# Altium PCB amp.PcbDoc (part 2 of 20)
Units mm, origin at the board's own origin, x right, y up, seen from the top; angles counter-clockwise.
Board outline 210 x 210 mm, 2 copper layers (Top Layer, Bottom Layer); 742 components, 1354 nets, 6402 pads, 5154 vias.
Unrouted connection lines stored in the file: 702.
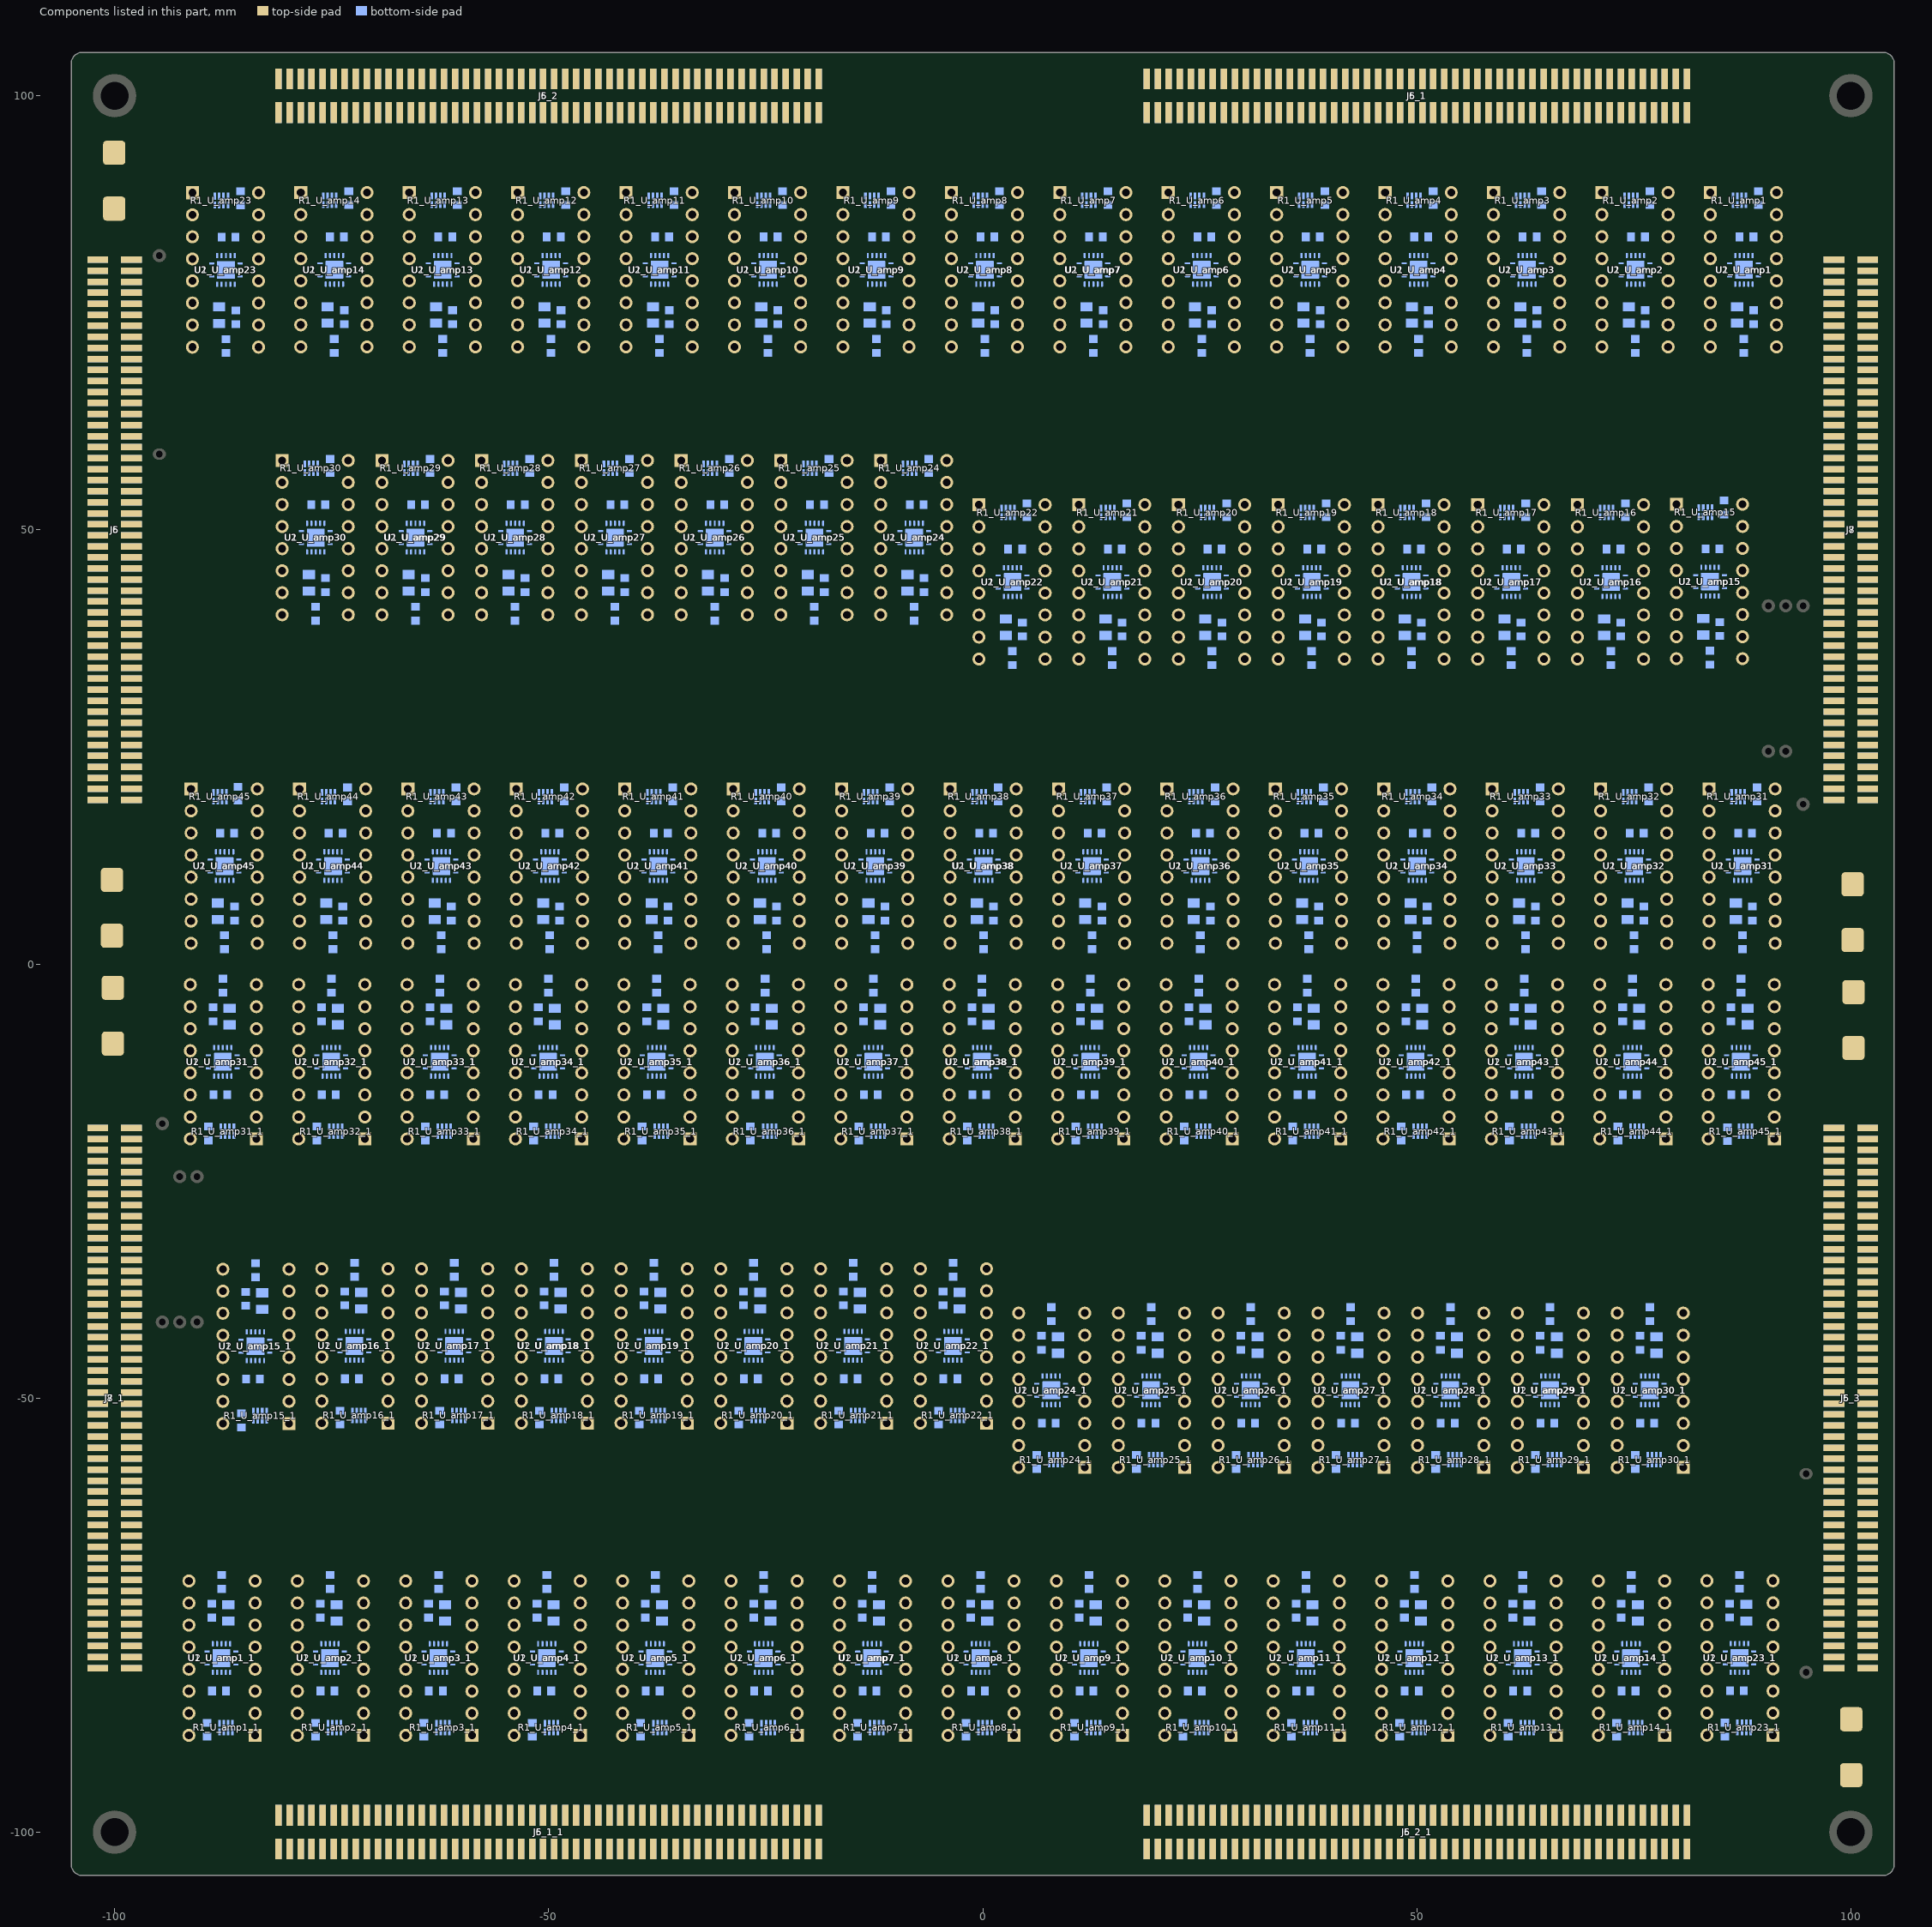
[diagram p2: the components of this part, seen from the top]

## Components (designator, comment, footprint, x,y, rotation, side; value= is the part's Value field where it differs from the comment) (continued)
C4_U_amp14_1 "10u 35V" C-0805-M 75.463,-74.747 r90 bottom (schematic designator C4)
C4_U_amp15 "10u 35V" C-0805-M 82.997,38.831 r270 bottom (schematic designator C4)
C4_U_amp15_1 "10u 35V" C-0805-M -82.997,-38.831 r90 bottom (schematic designator C4)
C4_U_amp16 "10u 35V" C-0805-M 71.599,38.787 r270 bottom (schematic designator C4)
C4_U_amp16_1 "10u 35V" C-0805-M -71.599,-38.787 r90 bottom (schematic designator C4)
C4_U_amp17 "10u 35V" C-0805-M 60.109,38.787 r270 bottom (schematic designator C4)
C4_U_amp17_1 "10u 35V" C-0805-M -60.109,-38.787 r90 bottom (schematic designator C4)
C4_U_amp18 "10u 35V" C-0805-M 48.619,38.787 r270 bottom (schematic designator C4)
C4_U_amp18_1 "10u 35V" C-0805-M -48.619,-38.787 r90 bottom (schematic designator C4)
C4_U_amp19 "10u 35V" C-0805-M 37.129,38.787 r270 bottom (schematic designator C4)
C4_U_amp19_1 "10u 35V" C-0805-M -37.129,-38.787 r90 bottom (schematic designator C4)
C4_U_amp20 "10u 35V" C-0805-M 25.638,38.787 r270 bottom (schematic designator C4)
C4_U_amp20_1 "10u 35V" C-0805-M -25.638,-38.787 r90 bottom (schematic designator C4)
C4_U_amp21 "10u 35V" C-0805-M 14.148,38.787 r270 bottom (schematic designator C4)
C4_U_amp21_1 "10u 35V" C-0805-M -14.148,-38.787 r90 bottom (schematic designator C4)
C4_U_amp22 "10u 35V" C-0805-M 2.658,38.787 r270 bottom (schematic designator C4)
C4_U_amp22_1 "10u 35V" C-0805-M -2.658,-38.787 r90 bottom (schematic designator C4)
C4_U_amp23 "10u 35V" C-0805-M -87.952,74.727 r270 bottom (schematic designator C4)
C4_U_amp23_1 "10u 35V" C-0805-M 87.952,-74.727 r90 bottom (schematic designator C4)
C4_U_amp24 "10u 35V" C-0805-M -8.668,43.893 r270 bottom (schematic designator C4)
C4_U_amp24_1 "10u 35V" C-0805-M 8.668,-43.893 r90 bottom (schematic designator C4)
C4_U_amp25 "10u 35V" C-0805-M -20.158,43.893 r270 bottom (schematic designator C4)
C4_U_amp25_1 "10u 35V" C-0805-M 20.158,-43.893 r90 bottom (schematic designator C4)
C4_U_amp26 "10u 35V" C-0805-M -31.648,43.893 r270 bottom (schematic designator C4)
C4_U_amp26_1 "10u 35V" C-0805-M 31.648,-43.893 r90 bottom (schematic designator C4)
C4_U_amp27 "10u 35V" C-0805-M -43.139,43.893 r270 bottom (schematic designator C4)
C4_U_amp27_1 "10u 35V" C-0805-M 43.139,-43.893 r90 bottom (schematic designator C4)
C4_U_amp28 "10u 35V" C-0805-M -54.629,43.893 r270 bottom (schematic designator C4)
C4_U_amp28_1 "10u 35V" C-0805-M 54.629,-43.893 r90 bottom (schematic designator C4)
C4_U_amp29 "10u 35V" C-0805-M -66.119,43.893 r270 bottom (schematic designator C4)
C4_U_amp29_1 "10u 35V" C-0805-M 66.119,-43.893 r90 bottom (schematic designator C4)
C4_U_amp30 "10u 35V" C-0805-M -77.609,43.893 r270 bottom (schematic designator C4)
C4_U_amp30_1 "10u 35V" C-0805-M 77.609,-43.893 r90 bottom (schematic designator C4)
C4_U_amp31 "10u 35V" C-0805-M 86.757,6.06 r270 bottom (schematic designator C4)
C4_U_amp31_1 "10u 35V" C-0805-M -86.757,-6.06 r90 bottom (schematic designator C4)
C4_U_amp32 "10u 35V" C-0805-M 74.267,6.06 r270 bottom (schematic designator C4)
C4_U_amp32_1 "10u 35V" C-0805-M -74.267,-6.06 r90 bottom (schematic designator C4)
C4_U_amp33 "10u 35V" C-0805-M 61.777,6.06 r270 bottom (schematic designator C4)
C4_U_amp33_1 "10u 35V" C-0805-M -61.777,-6.06 r90 bottom (schematic designator C4)
C4_U_amp34 "10u 35V" C-0805-M 49.286,6.06 r270 bottom (schematic designator C4)
C4_U_amp34_1 "10u 35V" C-0805-M -49.286,-6.06 r90 bottom (schematic designator C4)
C4_U_amp35 "10u 35V" C-0805-M 36.796,6.06 r270 bottom (schematic designator C4)
C4_U_amp35_1 "10u 35V" C-0805-M -36.796,-6.06 r90 bottom (schematic designator C4)
C4_U_amp36 "10u 35V" C-0805-M 24.306,6.06 r270 bottom (schematic designator C4)
C4_U_amp36_1 "10u 35V" C-0805-M -24.306,-6.06 r90 bottom (schematic designator C4)
C4_U_amp37 "10u 35V" C-0805-M 11.816,6.06 r270 bottom (schematic designator C4)
C4_U_amp37_1 "10u 35V" C-0805-M -11.816,-6.06 r90 bottom (schematic designator C4)
C4_U_amp38 "10u 35V" C-0805-M -0.674,6.06 r270 bottom (schematic designator C4)
C4_U_amp38_1 "10u 35V" C-0805-M 0.674,-6.06 r90 bottom (schematic designator C4)
C4_U_amp39 "10u 35V" C-0805-M -13.165,6.06 r270 bottom (schematic designator C4)
C4_U_amp39_1 "10u 35V" C-0805-M 13.165,-6.06 r90 bottom (schematic designator C4)
C4_U_amp40 "10u 35V" C-0805-M -25.655,6.06 r270 bottom (schematic designator C4)
C4_U_amp40_1 "10u 35V" C-0805-M 25.655,-6.06 r90 bottom (schematic designator C4)
C4_U_amp41 "10u 35V" C-0805-M -38.145,6.06 r270 bottom (schematic designator C4)
C4_U_amp41_1 "10u 35V" C-0805-M 38.145,-6.06 r90 bottom (schematic designator C4)
C4_U_amp42 "10u 35V" C-0805-M -50.635,6.06 r270 bottom (schematic designator C4)
C4_U_amp42_1 "10u 35V" C-0805-M 50.635,-6.06 r90 bottom (schematic designator C4)
C4_U_amp43 "10u 35V" C-0805-M -63.125,6.06 r270 bottom (schematic designator C4)
C4_U_amp43_1 "10u 35V" C-0805-M 63.125,-6.06 r90 bottom (schematic designator C4)
C4_U_amp44 "10u 35V" C-0805-M -75.616,6.06 r270 bottom (schematic designator C4)
C4_U_amp44_1 "10u 35V" C-0805-M 75.616,-6.06 r90 bottom (schematic designator C4)
C4_U_amp45 "10u 35V" C-0805-M -88.106,6.06 r270 bottom (schematic designator C4)
C4_U_amp45_1 "10u 35V" C-0805-M 88.106,-6.06 r90 bottom (schematic designator C4)
Designator1 "Comment" C-TANT-V 100.2,5.8 r270 top
Designator1_1 "Comment" C-TANT-V -100.2,-5.8 r90 top
Designator1_2 "Comment" C-TANT-V -100.3,6.3 r270 top
Designator1_3 "Comment" C-TANT-V 100.3,-6.3 r90 top
Designator1_4 "Comment" C-TANT-V -100.05,90.05 r270 top
Designator1_5 "Comment" C-TANT-V 100.05,-90.05 r90 top
J5 "CONN" SOP127P640X300-100L#1 -100,50 r180 top
J5_1 "CONN" SOP127P640X300-100L#1 50,100 r90 top (schematic designator J5)
J5_1_1 "CONN" SOP127P640X300-100L#1 -50,-100 r270 top (schematic designator J5)
J5_2 "CONN" SOP127P640X300-100L#2 -50,100 r90 top (schematic designator J5)
J5_2_1 "CONN" SOP127P640X300-100L#2 50,-100 r270 top (schematic designator J5)
J5_3 "CONN" SOP127P640X300-100L#1 100,-50 r0 top (schematic designator J5)
J6 "CONN" SOP127P640X300-100L#1 -100,50 r0 bottom
J6_1 "CONN" SOP127P640X300-100L#1 50,100 r270 bottom (schematic designator J6)
J6_1_1 "CONN" SOP127P640X300-100L#1 -50,-100 r90 bottom (schematic designator J6)
J6_2 "CONN" SOP127P640X300-100L#2 -50,100 r270 bottom (schematic designator J6)
J6_2_1 "CONN" SOP127P640X300-100L#2 50,-100 r90 bottom (schematic designator J6)
J6_3 "CONN" SOP127P640X300-100L#1 100,-50 r180 bottom (schematic designator J6)
J7 "CONN" SOP127P640X300-100L#1 100,50 r180 top
J7_1 "CONN" SOP127P640X300-100L#1 -100,-50 r0 top (schematic designator J7)
J8 "CONN" SOP127P640X300-100L#1 100,50 r0 bottom
J8_1 "CONN" SOP127P640X300-100L#1 -100,-50 r180 bottom (schematic designator J8)
R1_U_amp1 "20k" CAC-50P200X100-8N 87.163,87.955 r90 bottom (schematic designator R1)
R1_U_amp1_1 "20k" CAC-50P200X100-8N -87.163,-87.955 r270 bottom (schematic designator R1)
R1_U_amp2 "20k" CAC-50P200X100-8N 74.673,87.955 r90 bottom (schematic designator R1)
R1_U_amp2_1 "20k" CAC-50P200X100-8N -74.673,-87.955 r270 bottom (schematic designator R1)
R1_U_amp3 "20k" CAC-50P200X100-8N 62.183,87.955 r90 bottom (schematic designator R1)
R1_U_amp3_1 "20k" CAC-50P200X100-8N -62.183,-87.955 r270 bottom (schematic designator R1)
R1_U_amp4 "20k" CAC-50P200X100-8N 49.693,87.955 r90 bottom (schematic designator R1)
R1_U_amp4_1 "20k" CAC-50P200X100-8N -49.693,-87.955 r270 bottom (schematic designator R1)
R1_U_amp5 "20k" CAC-50P200X100-8N 37.203,87.955 r90 bottom (schematic designator R1)
R1_U_amp5_1 "20k" CAC-50P200X100-8N -37.203,-87.955 r270 bottom (schematic designator R1)
R1_U_amp6 "20k" CAC-50P200X100-8N 24.712,87.955 r90 bottom (schematic designator R1)
R1_U_amp6_1 "20k" CAC-50P200X100-8N -24.712,-87.955 r270 bottom (schematic designator R1)
R1_U_amp7 "20k" CAC-50P200X100-8N 12.222,87.955 r90 bottom (schematic designator R1)
R1_U_amp7_1 "20k" CAC-50P200X100-8N -12.222,-87.955 r270 bottom (schematic designator R1)
R1_U_amp8 "20k" CAC-50P200X100-8N -0.268,87.955 r90 bottom (schematic designator R1)
R1_U_amp8_1 "20k" CAC-50P200X100-8N 0.268,-87.955 r270 bottom (schematic designator R1)
R1_U_amp9 "20k" CAC-50P200X100-8N -12.758,87.955 r90 bottom (schematic designator R1)
R1_U_amp9_1 "20k" CAC-50P200X100-8N 12.758,-87.955 r270 bottom (schematic designator R1)
R1_U_amp10 "20k" CAC-50P200X100-8N -25.248,87.955 r90 bottom (schematic designator R1)
R1_U_amp10_1 "20k" CAC-50P200X100-8N 25.248,-87.955 r270 bottom (schematic designator R1)
R1_U_amp11 "20k" CAC-50P200X100-8N -37.739,87.955 r90 bottom (schematic designator R1)
R1_U_amp11_1 "20k" CAC-50P200X100-8N 37.739,-87.955 r270 bottom (schematic designator R1)
R1_U_amp12 "20k" CAC-50P200X100-8N -50.229,87.955 r90 bottom (schematic designator R1)
R1_U_amp12_1 "20k" CAC-50P200X100-8N 50.229,-87.955 r270 bottom (schematic designator R1)
R1_U_amp13 "20k" CAC-50P200X100-8N -62.719,87.955 r90 bottom (schematic designator R1)
R1_U_amp13_1 "20k" CAC-50P200X100-8N 62.719,-87.955 r270 bottom (schematic designator R1)
R1_U_amp14 "20k" CAC-50P200X100-8N -75.209,87.955 r90 bottom (schematic designator R1)
R1_U_amp14_1 "20k" CAC-50P200X100-8N 75.209,-87.955 r270 bottom (schematic designator R1)
R1_U_amp15 "20k" CAC-50P200X100-8N 83.251,52.039 r90 bottom (schematic designator R1)
R1_U_amp15_1 "20k" CAC-50P200X100-8N -83.251,-52.039 r270 bottom (schematic designator R1)
R1_U_amp16 "20k" CAC-50P200X100-8N 71.853,51.995 r90 bottom (schematic designator R1)
R1_U_amp16_1 "20k" CAC-50P200X100-8N -71.853,-51.995 r270 bottom (schematic designator R1)
R1_U_amp17 "20k" CAC-50P200X100-8N 60.363,51.995 r90 bottom (schematic designator R1)
R1_U_amp17_1 "20k" CAC-50P200X100-8N -60.363,-51.995 r270 bottom (schematic designator R1)
R1_U_amp18 "20k" CAC-50P200X100-8N 48.873,51.995 r90 bottom (schematic designator R1)
R1_U_amp18_1 "20k" CAC-50P200X100-8N -48.873,-51.995 r270 bottom (schematic designator R1)
R1_U_amp19 "20k" CAC-50P200X100-8N 37.383,51.995 r90 bottom (schematic designator R1)
R1_U_amp19_1 "20k" CAC-50P200X100-8N -37.383,-51.995 r270 bottom (schematic designator R1)
R1_U_amp20 "20k" CAC-50P200X100-8N 25.892,51.995 r90 bottom (schematic designator R1)
R1_U_amp20_1 "20k" CAC-50P200X100-8N -25.892,-51.995 r270 bottom (schematic designator R1)
R1_U_amp21 "20k" CAC-50P200X100-8N 14.402,51.995 r90 bottom (schematic designator R1)
R1_U_amp21_1 "20k" CAC-50P200X100-8N -14.402,-51.995 r270 bottom (schematic designator R1)
R1_U_amp22 "20k" CAC-50P200X100-8N 2.912,51.995 r90 bottom (schematic designator R1)
R1_U_amp22_1 "20k" CAC-50P200X100-8N -2.912,-51.995 r270 bottom (schematic designator R1)
R1_U_amp23 "20k" CAC-50P200X100-8N -87.698,87.935 r90 bottom (schematic designator R1)
R1_U_amp23_1 "20k" CAC-50P200X100-8N 87.698,-87.935 r270 bottom (schematic designator R1)
R1_U_amp24 "20k" CAC-50P200X100-8N -8.414,57.101 r90 bottom (schematic designator R1)
R1_U_amp24_1 "20k" CAC-50P200X100-8N 8.414,-57.101 r270 bottom (schematic designator R1)
R1_U_amp25 "20k" CAC-50P200X100-8N -19.904,57.101 r90 bottom (schematic designator R1)
R1_U_amp25_1 "20k" CAC-50P200X100-8N 19.904,-57.101 r270 bottom (schematic designator R1)
R1_U_amp26 "20k" CAC-50P200X100-8N -31.394,57.101 r90 bottom (schematic designator R1)
R1_U_amp26_1 "20k" CAC-50P200X100-8N 31.394,-57.101 r270 bottom (schematic designator R1)
R1_U_amp27 "20k" CAC-50P200X100-8N -42.885,57.101 r90 bottom (schematic designator R1)
R1_U_amp27_1 "20k" CAC-50P200X100-8N 42.885,-57.101 r270 bottom (schematic designator R1)
R1_U_amp28 "20k" CAC-50P200X100-8N -54.375,57.101 r90 bottom (schematic designator R1)
R1_U_amp28_1 "20k" CAC-50P200X100-8N 54.375,-57.101 r270 bottom (schematic designator R1)
R1_U_amp29 "20k" CAC-50P200X100-8N -65.865,57.101 r90 bottom (schematic designator R1)
R1_U_amp29_1 "20k" CAC-50P200X100-8N 65.865,-57.101 r270 bottom (schematic designator R1)
R1_U_amp30 "20k" CAC-50P200X100-8N -77.355,57.101 r90 bottom (schematic designator R1)
R1_U_amp30_1 "20k" CAC-50P200X100-8N 77.355,-57.101 r270 bottom (schematic designator R1)
R1_U_amp31 "20k" CAC-50P200X100-8N 87.011,19.268 r90 bottom (schematic designator R1)
R1_U_amp31_1 "20k" CAC-50P200X100-8N -87.011,-19.268 r270 bottom (schematic designator R1)
R1_U_amp32 "20k" CAC-50P200X100-8N 74.521,19.268 r90 bottom (schematic designator R1)
R1_U_amp32_1 "20k" CAC-50P200X100-8N -74.521,-19.268 r270 bottom (schematic designator R1)
R1_U_amp33 "20k" CAC-50P200X100-8N 62.031,19.268 r90 bottom (schematic designator R1)
R1_U_amp33_1 "20k" CAC-50P200X100-8N -62.031,-19.268 r270 bottom (schematic designator R1)
R1_U_amp34 "20k" CAC-50P200X100-8N 49.54,19.268 r90 bottom (schematic designator R1)
R1_U_amp34_1 "20k" CAC-50P200X100-8N -49.54,-19.268 r270 bottom (schematic designator R1)
R1_U_amp35 "20k" CAC-50P200X100-8N 37.05,19.268 r90 bottom (schematic designator R1)
R1_U_amp35_1 "20k" CAC-50P200X100-8N -37.05,-19.268 r270 bottom (schematic designator R1)
R1_U_amp36 "20k" CAC-50P200X100-8N 24.56,19.268 r90 bottom (schematic designator R1)
R1_U_amp36_1 "20k" CAC-50P200X100-8N -24.56,-19.268 r270 bottom (schematic designator R1)
R1_U_amp37 "20k" CAC-50P200X100-8N 12.07,19.268 r90 bottom (schematic designator R1)
R1_U_amp37_1 "20k" CAC-50P200X100-8N -12.07,-19.268 r270 bottom (schematic designator R1)
R1_U_amp38 "20k" CAC-50P200X100-8N -0.42,19.268 r90 bottom (schematic designator R1)
R1_U_amp38_1 "20k" CAC-50P200X100-8N 0.42,-19.268 r270 bottom (schematic designator R1)
R1_U_amp39 "20k" CAC-50P200X100-8N -12.911,19.268 r90 bottom (schematic designator R1)
R1_U_amp39_1 "20k" CAC-50P200X100-8N 12.911,-19.268 r270 bottom (schematic designator R1)
R1_U_amp40 "20k" CAC-50P200X100-8N -25.401,19.268 r90 bottom (schematic designator R1)
R1_U_amp40_1 "20k" CAC-50P200X100-8N 25.401,-19.268 r270 bottom (schematic designator R1)
R1_U_amp41 "20k" CAC-50P200X100-8N -37.891,19.268 r90 bottom (schematic designator R1)
R1_U_amp41_1 "20k" CAC-50P200X100-8N 37.891,-19.268 r270 bottom (schematic designator R1)
R1_U_amp42 "20k" CAC-50P200X100-8N -50.381,19.268 r90 bottom (schematic designator R1)
R1_U_amp42_1 "20k" CAC-50P200X100-8N 50.381,-19.268 r270 bottom (schematic designator R1)
R1_U_amp43 "20k" CAC-50P200X100-8N -62.871,19.268 r90 bottom (schematic designator R1)
R1_U_amp43_1 "20k" CAC-50P200X100-8N 62.871,-19.268 r270 bottom (schematic designator R1)
R1_U_amp44 "20k" CAC-50P200X100-8N -75.362,19.268 r90 bottom (schematic designator R1)
R1_U_amp44_1 "20k" CAC-50P200X100-8N 75.362,-19.268 r270 bottom (schematic designator R1)
R1_U_amp45 "20k" CAC-50P200X100-8N -87.852,19.268 r90 bottom (schematic designator R1)
R1_U_amp45_1 "20k" CAC-50P200X100-8N 87.852,-19.268 r270 bottom (schematic designator R1)
R2_U_amp1 "0" R-0603-M 87.671,71.191 r270 bottom (schematic designator R2)
R2_U_amp1_1 "0" R-0603-M -87.671,-71.191 r90 bottom (schematic designator R2)
R2_U_amp2 "0" R-0603-M 75.181,71.191 r270 bottom (schematic designator R2)
R2_U_amp2_1 "0" R-0603-M -75.181,-71.191 r90 bottom (schematic designator R2)
R2_U_amp3 "0" R-0603-M 62.691,71.191 r270 bottom (schematic designator R2)
R2_U_amp3_1 "0" R-0603-M -62.691,-71.191 r90 bottom (schematic designator R2)
R2_U_amp4 "0" R-0603-M 50.201,71.191 r270 bottom (schematic designator R2)
R2_U_amp4_1 "0" R-0603-M -50.201,-71.191 r90 bottom (schematic designator R2)
R2_U_amp5 "0" R-0603-M 37.711,71.191 r270 bottom (schematic designator R2)
R2_U_amp5_1 "0" R-0603-M -37.711,-71.191 r90 bottom (schematic designator R2)
R2_U_amp6 "0" R-0603-M 25.22,71.191 r270 bottom (schematic designator R2)
R2_U_amp6_1 "0" R-0603-M -25.22,-71.191 r90 bottom (schematic designator R2)
R2_U_amp7 "0" R-0603-M 12.73,71.191 r270 bottom (schematic designator R2)
R2_U_amp7_1 "0" R-0603-M -12.73,-71.191 r90 bottom (schematic designator R2)
R2_U_amp8 "0" R-0603-M 0.24,71.191 r270 bottom (schematic designator R2)
R2_U_amp8_1 "0" R-0603-M -0.24,-71.191 r90 bottom (schematic designator R2)
R2_U_amp9 "0" R-0603-M -12.25,71.191 r270 bottom (schematic designator R2)
R2_U_amp9_1 "0" R-0603-M 12.25,-71.191 r90 bottom (schematic designator R2)
R2_U_amp10 "0" R-0603-M -24.74,71.191 r270 bottom (schematic designator R2)
R2_U_amp10_1 "0" R-0603-M 24.74,-71.191 r90 bottom (schematic designator R2)
R2_U_amp11 "0" R-0603-M -37.231,71.191 r270 bottom (schematic designator R2)
R2_U_amp11_1 "0" R-0603-M 37.231,-71.191 r90 bottom (schematic designator R2)
R2_U_amp12 "0" R-0603-M -49.721,71.191 r270 bottom (schematic designator R2)
R2_U_amp12_1 "0" R-0603-M 49.721,-71.191 r90 bottom (schematic designator R2)
R2_U_amp13 "0" R-0603-M -62.211,71.191 r270 bottom (schematic designator R2)
R2_U_amp13_1 "0" R-0603-M 62.211,-71.191 r90 bottom (schematic designator R2)
R2_U_amp14 "0" R-0603-M -74.701,71.191 r270 bottom (schematic designator R2)
R2_U_amp14_1 "0" R-0603-M 74.701,-71.191 r90 bottom (schematic designator R2)
R2_U_amp15 "0" R-0603-M 83.759,35.275 r270 bottom (schematic designator R2)
R2_U_amp15_1 "0" R-0603-M -83.759,-35.275 r90 bottom (schematic designator R2)
R2_U_amp16 "0" R-0603-M 72.361,35.231 r270 bottom (schematic designator R2)
R2_U_amp16_1 "0" R-0603-M -72.361,-35.231 r90 bottom (schematic designator R2)
R2_U_amp17 "0" R-0603-M 60.871,35.231 r270 bottom (schematic designator R2)
R2_U_amp17_1 "0" R-0603-M -60.871,-35.231 r90 bottom (schematic designator R2)
R2_U_amp18 "0" R-0603-M 49.381,35.231 r270 bottom (schematic designator R2)
R2_U_amp18_1 "0" R-0603-M -49.381,-35.231 r90 bottom (schematic designator R2)
R2_U_amp19 "0" R-0603-M 37.891,35.231 r270 bottom (schematic designator R2)
R2_U_amp19_1 "0" R-0603-M -37.891,-35.231 r90 bottom (schematic designator R2)
R2_U_amp20 "0" R-0603-M 26.4,35.231 r270 bottom (schematic designator R2)
R2_U_amp20_1 "0" R-0603-M -26.4,-35.231 r90 bottom (schematic designator R2)
R2_U_amp21 "0" R-0603-M 14.91,35.231 r270 bottom (schematic designator R2)
R2_U_amp21_1 "0" R-0603-M -14.91,-35.231 r90 bottom (schematic designator R2)
R2_U_amp22 "0" R-0603-M 3.42,35.231 r270 bottom (schematic designator R2)
R2_U_amp22_1 "0" R-0603-M -3.42,-35.231 r90 bottom (schematic designator R2)
R2_U_amp23 "0" R-0603-M -87.19,71.171 r270 bottom (schematic designator R2)
R2_U_amp23_1 "0" R-0603-M 87.19,-71.171 r90 bottom (schematic designator R2)
R2_U_amp24 "0" R-0603-M -7.906,40.337 r270 bottom (schematic designator R2)
R2_U_amp24_1 "0" R-0603-M 7.906,-40.337 r90 bottom (schematic designator R2)
R2_U_amp25 "0" R-0603-M -19.396,40.337 r270 bottom (schematic designator R2)
R2_U_amp25_1 "0" R-0603-M 19.396,-40.337 r90 bottom (schematic designator R2)
R2_U_amp26 "0" R-0603-M -30.886,40.337 r270 bottom (schematic designator R2)
R2_U_amp26_1 "0" R-0603-M 30.886,-40.337 r90 bottom (schematic designator R2)
R2_U_amp27 "0" R-0603-M -42.377,40.337 r270 bottom (schematic designator R2)
R2_U_amp27_1 "0" R-0603-M 42.377,-40.337 r90 bottom (schematic designator R2)
R2_U_amp28 "0" R-0603-M -53.867,40.337 r270 bottom (schematic designator R2)
R2_U_amp28_1 "0" R-0603-M 53.867,-40.337 r90 bottom (schematic designator R2)
R2_U_amp29 "0" R-0603-M -65.357,40.337 r270 bottom (schematic designator R2)
R2_U_amp29_1 "0" R-0603-M 65.357,-40.337 r90 bottom (schematic designator R2)
R2_U_amp30 "0" R-0603-M -76.847,40.337 r270 bottom (schematic designator R2)
R2_U_amp30_1 "0" R-0603-M 76.847,-40.337 r90 bottom (schematic designator R2)
R2_U_amp31 "0" R-0603-M 87.519,2.504 r270 bottom (schematic designator R2)
R2_U_amp31_1 "0" R-0603-M -87.519,-2.504 r90 bottom (schematic designator R2)
R2_U_amp32 "0" R-0603-M 75.029,2.504 r270 bottom (schematic designator R2)
R2_U_amp32_1 "0" R-0603-M -75.029,-2.504 r90 bottom (schematic designator R2)
R2_U_amp33 "0" R-0603-M 62.539,2.504 r270 bottom (schematic designator R2)
R2_U_amp33_1 "0" R-0603-M -62.539,-2.504 r90 bottom (schematic designator R2)
R2_U_amp34 "0" R-0603-M 50.048,2.504 r270 bottom (schematic designator R2)
R2_U_amp34_1 "0" R-0603-M -50.048,-2.504 r90 bottom (schematic designator R2)
R2_U_amp35 "0" R-0603-M 37.558,2.504 r270 bottom (schematic designator R2)
R2_U_amp35_1 "0" R-0603-M -37.558,-2.504 r90 bottom (schematic designator R2)
R2_U_amp36 "0" R-0603-M 25.068,2.504 r270 bottom (schematic designator R2)
R2_U_amp36_1 "0" R-0603-M -25.068,-2.504 r90 bottom (schematic designator R2)
R2_U_amp37 "0" R-0603-M 12.578,2.504 r270 bottom (schematic designator R2)
R2_U_amp37_1 "0" R-0603-M -12.578,-2.504 r90 bottom (schematic designator R2)
R2_U_amp38 "0" R-0603-M 0.088,2.504 r270 bottom (schematic designator R2)
R2_U_amp38_1 "0" R-0603-M -0.088,-2.504 r90 bottom (schematic designator R2)
R2_U_amp39 "0" R-0603-M -12.403,2.504 r270 bottom (schematic designator R2)
R2_U_amp39_1 "0" R-0603-M 12.403,-2.504 r90 bottom (schematic designator R2)
R2_U_amp40 "0" R-0603-M -24.893,2.504 r270 bottom (schematic designator R2)
R2_U_amp40_1 "0" R-0603-M 24.893,-2.504 r90 bottom (schematic designator R2)
R2_U_amp41 "0" R-0603-M -37.383,2.504 r270 bottom (schematic designator R2)
R2_U_amp41_1 "0" R-0603-M 37.383,-2.504 r90 bottom (schematic designator R2)
R2_U_amp42 "0" R-0603-M -49.873,2.504 r270 bottom (schematic designator R2)
R2_U_amp42_1 "0" R-0603-M 49.873,-2.504 r90 bottom (schematic designator R2)
R2_U_amp43 "0" R-0603-M -62.363,2.504 r270 bottom (schematic designator R2)
R2_U_amp43_1 "0" R-0603-M 62.363,-2.504 r90 bottom (schematic designator R2)
R2_U_amp44 "0" R-0603-M -74.854,2.504 r270 bottom (schematic designator R2)
R2_U_amp44_1 "0" R-0603-M 74.854,-2.504 r90 bottom (schematic designator R2)
R2_U_amp45 "0" R-0603-M -87.344,2.504 r270 bottom (schematic designator R2)
R2_U_amp45_1 "0" R-0603-M 87.344,-2.504 r90 bottom (schematic designator R2)
U1_U_amp1 "SN74LV14ARGYR" RGY0014A_V 87.687,79.955 r180 bottom (schematic designator U1)
U1_U_amp1_1 "SN74LV14ARGYR" RGY0014A_V -87.687,-79.955 r0 bottom (schematic designator U1)
U1_U_amp2 "SN74LV14ARGYR" RGY0014A_V 75.197,79.955 r180 bottom (schematic designator U1)
U1_U_amp2_1 "SN74LV14ARGYR" RGY0014A_V -75.197,-79.955 r0 bottom (schematic designator U1)
U1_U_amp3 "SN74LV14ARGYR" RGY0014A_V 62.707,79.955 r180 bottom (schematic designator U1)
U1_U_amp3_1 "SN74LV14ARGYR" RGY0014A_V -62.707,-79.955 r0 bottom (schematic designator U1)
U1_U_amp4 "SN74LV14ARGYR" RGY0014A_V 50.217,79.955 r180 bottom (schematic designator U1)
U1_U_amp4_1 "SN74LV14ARGYR" RGY0014A_V -50.217,-79.955 r0 bottom (schematic designator U1)
U1_U_amp5 "SN74LV14ARGYR" RGY0014A_V 37.727,79.955 r180 bottom (schematic designator U1)
U1_U_amp5_1 "SN74LV14ARGYR" RGY0014A_V -37.727,-79.955 r0 bottom (schematic designator U1)
U1_U_amp6 "SN74LV14ARGYR" RGY0014A_V 25.236,79.955 r180 bottom (schematic designator U1)
U1_U_amp6_1 "SN74LV14ARGYR" RGY0014A_V -25.236,-79.955 r0 bottom (schematic designator U1)
U1_U_amp7 "SN74LV14ARGYR" RGY0014A_V 12.746,79.955 r180 bottom (schematic designator U1)
U1_U_amp7_1 "SN74LV14ARGYR" RGY0014A_V -12.746,-79.955 r0 bottom (schematic designator U1)
U1_U_amp8 "SN74LV14ARGYR" RGY0014A_V 0.256,79.955 r180 bottom (schematic designator U1)
U1_U_amp8_1 "SN74LV14ARGYR" RGY0014A_V -0.256,-79.955 r0 bottom (schematic designator U1)
U1_U_amp9 "SN74LV14ARGYR" RGY0014A_V -12.234,79.955 r180 bottom (schematic designator U1)
U1_U_amp9_1 "SN74LV14ARGYR" RGY0014A_V 12.234,-79.955 r0 bottom (schematic designator U1)
U1_U_amp10 "SN74LV14ARGYR" RGY0014A_V -24.724,79.955 r180 bottom (schematic designator U1)
U1_U_amp10_1 "SN74LV14ARGYR" RGY0014A_V 24.724,-79.955 r0 bottom (schematic designator U1)
U1_U_amp11 "SN74LV14ARGYR" RGY0014A_V -37.215,79.955 r180 bottom (schematic designator U1)
U1_U_amp11_1 "SN74LV14ARGYR" RGY0014A_V 37.215,-79.955 r0 bottom (schematic designator U1)
U1_U_amp12 "SN74LV14ARGYR" RGY0014A_V -49.705,79.955 r180 bottom (schematic designator U1)
U1_U_amp12_1 "SN74LV14ARGYR" RGY0014A_V 49.705,-79.955 r0 bottom (schematic designator U1)
U1_U_amp13 "SN74LV14ARGYR" RGY0014A_V -62.195,79.955 r180 bottom (schematic designator U1)
U1_U_amp13_1 "SN74LV14ARGYR" RGY0014A_V 62.195,-79.955 r0 bottom (schematic designator U1)
U1_U_amp14 "SN74LV14ARGYR" RGY0014A_V -74.685,79.955 r180 bottom (schematic designator U1)
U1_U_amp14_1 "SN74LV14ARGYR" RGY0014A_V 74.685,-79.955 r0 bottom (schematic designator U1)
U1_U_amp15 "SN74LV14ARGYR" RGY0014A_V 83.775,44.039 r180 bottom (schematic designator U1)
U1_U_amp15_1 "SN74LV14ARGYR" RGY0014A_V -83.775,-44.039 r0 bottom (schematic designator U1)
U1_U_amp16 "SN74LV14ARGYR" RGY0014A_V 72.377,43.995 r180 bottom (schematic designator U1)
U1_U_amp16_1 "SN74LV14ARGYR" RGY0014A_V -72.377,-43.995 r0 bottom (schematic designator U1)
U1_U_amp17 "SN74LV14ARGYR" RGY0014A_V 60.887,43.995 r180 bottom (schematic designator U1)
U1_U_amp17_1 "SN74LV14ARGYR" RGY0014A_V -60.887,-43.995 r0 bottom (schematic designator U1)
U1_U_amp18 "SN74LV14ARGYR" RGY0014A_V 49.397,43.995 r180 bottom (schematic designator U1)
U1_U_amp18_1 "SN74LV14ARGYR" RGY0014A_V -49.397,-43.995 r0 bottom (schematic designator U1)
U1_U_amp19 "SN74LV14ARGYR" RGY0014A_V 37.907,43.995 r180 bottom (schematic designator U1)
U1_U_amp19_1 "SN74LV14ARGYR" RGY0014A_V -37.907,-43.995 r0 bottom (schematic designator U1)
U1_U_amp20 "SN74LV14ARGYR" RGY0014A_V 26.416,43.995 r180 bottom (schematic designator U1)
U1_U_amp20_1 "SN74LV14ARGYR" RGY0014A_V -26.416,-43.995 r0 bottom (schematic designator U1)
U1_U_amp21 "SN74LV14ARGYR" RGY0014A_V 14.926,43.995 r180 bottom (schematic designator U1)
U1_U_amp21_1 "SN74LV14ARGYR" RGY0014A_V -14.926,-43.995 r0 bottom (schematic designator U1)
U1_U_amp22 "SN74LV14ARGYR" RGY0014A_V 3.436,43.995 r180 bottom (schematic designator U1)
U1_U_amp22_1 "SN74LV14ARGYR" RGY0014A_V -3.436,-43.995 r0 bottom (schematic designator U1)
U1_U_amp23 "SN74LV14ARGYR" RGY0014A_V -87.174,79.935 r180 bottom (schematic designator U1)
U1_U_amp23_1 "SN74LV14ARGYR" RGY0014A_V 87.174,-79.935 r0 bottom (schematic designator U1)
U1_U_amp24 "SN74LV14ARGYR" RGY0014A_V -7.89,49.101 r180 bottom (schematic designator U1)
U1_U_amp24_1 "SN74LV14ARGYR" RGY0014A_V 7.89,-49.101 r0 bottom (schematic designator U1)
U1_U_amp25 "SN74LV14ARGYR" RGY0014A_V -19.38,49.101 r180 bottom (schematic designator U1)
U1_U_amp25_1 "SN74LV14ARGYR" RGY0014A_V 19.38,-49.101 r0 bottom (schematic designator U1)
U1_U_amp26 "SN74LV14ARGYR" RGY0014A_V -30.87,49.101 r180 bottom (schematic designator U1)
U1_U_amp26_1 "SN74LV14ARGYR" RGY0014A_V 30.87,-49.101 r0 bottom (schematic designator U1)
U1_U_amp27 "SN74LV14ARGYR" RGY0014A_V -42.361,49.101 r180 bottom (schematic designator U1)
U1_U_amp27_1 "SN74LV14ARGYR" RGY0014A_V 42.361,-49.101 r0 bottom (schematic designator U1)
U1_U_amp28 "SN74LV14ARGYR" RGY0014A_V -53.851,49.101 r180 bottom (schematic designator U1)
U1_U_amp28_1 "SN74LV14ARGYR" RGY0014A_V 53.851,-49.101 r0 bottom (schematic designator U1)
U1_U_amp29 "SN74LV14ARGYR" RGY0014A_V -65.341,49.101 r180 bottom (schematic designator U1)
U1_U_amp29_1 "SN74LV14ARGYR" RGY0014A_V 65.341,-49.101 r0 bottom (schematic designator U1)
U1_U_amp30 "SN74LV14ARGYR" RGY0014A_V -76.831,49.101 r180 bottom (schematic designator U1)
U1_U_amp30_1 "SN74LV14ARGYR" RGY0014A_V 76.831,-49.101 r0 bottom (schematic designator U1)
U1_U_amp31 "SN74LV14ARGYR" RGY0014A_V 87.535,11.268 r180 bottom (schematic designator U1)
U1_U_amp31_1 "SN74LV14ARGYR" RGY0014A_V -87.535,-11.268 r0 bottom (schematic designator U1)
U1_U_amp32 "SN74LV14ARGYR" RGY0014A_V 75.045,11.268 r180 bottom (schematic designator U1)
U1_U_amp32_1 "SN74LV14ARGYR" RGY0014A_V -75.045,-11.268 r0 bottom (schematic designator U1)
U1_U_amp33 "SN74LV14ARGYR" RGY0014A_V 62.555,11.268 r180 bottom (schematic designator U1)
U1_U_amp33_1 "SN74LV14ARGYR" RGY0014A_V -62.555,-11.268 r0 bottom (schematic designator U1)
U1_U_amp34 "SN74LV14ARGYR" RGY0014A_V 50.064,11.268 r180 bottom (schematic designator U1)
U1_U_amp34_1 "SN74LV14ARGYR" RGY0014A_V -50.064,-11.268 r0 bottom (schematic designator U1)
U1_U_amp35 "SN74LV14ARGYR" RGY0014A_V 37.574,11.268 r180 bottom (schematic designator U1)
U1_U_amp35_1 "SN74LV14ARGYR" RGY0014A_V -37.574,-11.268 r0 bottom (schematic designator U1)
U1_U_amp36 "SN74LV14ARGYR" RGY0014A_V 25.084,11.268 r180 bottom (schematic designator U1)
U1_U_amp36_1 "SN74LV14ARGYR" RGY0014A_V -25.084,-11.268 r0 bottom (schematic designator U1)
U1_U_amp37 "SN74LV14ARGYR" RGY0014A_V 12.594,11.268 r180 bottom (schematic designator U1)
U1_U_amp37_1 "SN74LV14ARGYR" RGY0014A_V -12.594,-11.268 r0 bottom (schematic designator U1)
U1_U_amp38 "SN74LV14ARGYR" RGY0014A_V 0.104,11.268 r180 bottom (schematic designator U1)
U1_U_amp38_1 "SN74LV14ARGYR" RGY0014A_V -0.104,-11.268 r0 bottom (schematic designator U1)
U1_U_amp39 "SN74LV14ARGYR" RGY0014A_V -12.387,11.268 r180 bottom (schematic designator U1)
U1_U_amp39_1 "SN74LV14ARGYR" RGY0014A_V 12.387,-11.268 r0 bottom (schematic designator U1)
U1_U_amp40 "SN74LV14ARGYR" RGY0014A_V -24.877,11.268 r180 bottom (schematic designator U1)
U1_U_amp40_1 "SN74LV14ARGYR" RGY0014A_V 24.877,-11.268 r0 bottom (schematic designator U1)
U1_U_amp41 "SN74LV14ARGYR" RGY0014A_V -37.367,11.268 r180 bottom (schematic designator U1)
U1_U_amp41_1 "SN74LV14ARGYR" RGY0014A_V 37.367,-11.268 r0 bottom (schematic designator U1)
U1_U_amp42 "SN74LV14ARGYR" RGY0014A_V -49.857,11.268 r180 bottom (schematic designator U1)
U1_U_amp42_1 "SN74LV14ARGYR" RGY0014A_V 49.857,-11.268 r0 bottom (schematic designator U1)
U1_U_amp43 "SN74LV14ARGYR" RGY0014A_V -62.347,11.268 r180 bottom (schematic designator U1)
U1_U_amp43_1 "SN74LV14ARGYR" RGY0014A_V 62.347,-11.268 r0 bottom (schematic designator U1)
U1_U_amp44 "SN74LV14ARGYR" RGY0014A_V -74.838,11.268 r180 bottom (schematic designator U1)
U1_U_amp44_1 "SN74LV14ARGYR" RGY0014A_V 74.838,-11.268 r0 bottom (schematic designator U1)
U1_U_amp45 "SN74LV14ARGYR" RGY0014A_V -87.328,11.268 r180 bottom (schematic designator U1)
U1_U_amp45_1 "SN74LV14ARGYR" RGY0014A_V 87.328,-11.268 r0 bottom (schematic designator U1)
U2_U_amp1 "L293DNE" NE0016A 87.63,79.96 r0 top (schematic designator U2)
U2_U_amp1_1 "L293DNE" NE0016A -87.63,-79.96 r180 top (schematic designator U2)
U2_U_amp2 "L293DNE" NE0016A 75.14,79.96 r0 top (schematic designator U2)
U2_U_amp2_1 "L293DNE" NE0016A -75.14,-79.96 r180 top (schematic designator U2)
U2_U_amp3 "L293DNE" NE0016A 62.65,79.96 r0 top (schematic designator U2)
U2_U_amp3_1 "L293DNE" NE0016A -62.65,-79.96 r180 top (schematic designator U2)
U2_U_amp4 "L293DNE" NE0016A 50.16,79.96 r0 top (schematic designator U2)
U2_U_amp4_1 "L293DNE" NE0016A -50.16,-79.96 r180 top (schematic designator U2)
U2_U_amp5 "L293DNE" NE0016A 37.67,79.96 r0 top (schematic designator U2)
U2_U_amp5_1 "L293DNE" NE0016A -37.67,-79.96 r180 top (schematic designator U2)
U2_U_amp6 "L293DNE" NE0016A 25.179,79.96 r0 top (schematic designator U2)
U2_U_amp6_1 "L293DNE" NE0016A -25.179,-79.96 r180 top (schematic designator U2)
U2_U_amp7 "L293DNE" NE0016A 12.689,79.96 r0 top (schematic designator U2)
U2_U_amp7_1 "L293DNE" NE0016A -12.689,-79.96 r180 top (schematic designator U2)
U2_U_amp8 "L293DNE" NE0016A 0.199,79.96 r0 top (schematic designator U2)
U2_U_amp8_1 "L293DNE" NE0016A -0.199,-79.96 r180 top (schematic designator U2)
U2_U_amp9 "L293DNE" NE0016A -12.291,79.96 r0 top (schematic designator U2)
U2_U_amp9_1 "L293DNE" NE0016A 12.291,-79.96 r180 top (schematic designator U2)
U2_U_amp10 "L293DNE" NE0016A -24.781,79.96 r0 top (schematic designator U2)
U2_U_amp10_1 "L293DNE" NE0016A 24.781,-79.96 r180 top (schematic designator U2)
U2_U_amp11 "L293DNE" NE0016A -37.272,79.96 r0 top (schematic designator U2)
U2_U_amp11_1 "L293DNE" NE0016A 37.272,-79.96 r180 top (schematic designator U2)
U2_U_amp12 "L293DNE" NE0016A -49.762,79.96 r0 top (schematic designator U2)
U2_U_amp12_1 "L293DNE" NE0016A 49.762,-79.96 r180 top (schematic designator U2)
U2_U_amp13 "L293DNE" NE0016A -62.252,79.96 r0 top (schematic designator U2)
U2_U_amp13_1 "L293DNE" NE0016A 62.252,-79.96 r180 top (schematic designator U2)
U2_U_amp14 "L293DNE" NE0016A -74.742,79.96 r0 top (schematic designator U2)
U2_U_amp14_1 "L293DNE" NE0016A 74.742,-79.96 r180 top (schematic designator U2)
U2_U_amp15 "L293DNE" NE0016A 83.718,44.044 r0 top (schematic designator U2)
U2_U_amp15_1 "L293DNE" NE0016A -83.718,-44.044 r180 top (schematic designator U2)
U2_U_amp16 "L293DNE" NE0016A 72.32,44 r0 top (schematic designator U2)
U2_U_amp16_1 "L293DNE" NE0016A -72.32,-44 r180 top (schematic designator U2)
U2_U_amp17 "L293DNE" NE0016A 60.83,44 r0 top (schematic designator U2)
U2_U_amp17_1 "L293DNE" NE0016A -60.83,-44 r180 top (schematic designator U2)
U2_U_amp18 "L293DNE" NE0016A 49.34,44 r0 top (schematic designator U2)
U2_U_amp18_1 "L293DNE" NE0016A -49.34,-44 r180 top (schematic designator U2)
U2_U_amp19 "L293DNE" NE0016A 37.85,44 r0 top (schematic designator U2)
U2_U_amp19_1 "L293DNE" NE0016A -37.85,-44 r180 top (schematic designator U2)
U2_U_amp20 "L293DNE" NE0016A 26.359,44 r0 top (schematic designator U2)
U2_U_amp20_1 "L293DNE" NE0016A -26.359,-44 r180 top (schematic designator U2)
U2_U_amp21 "L293DNE" NE0016A 14.869,44 r0 top (schematic designator U2)
U2_U_amp21_1 "L293DNE" NE0016A -14.869,-44 r180 top (schematic designator U2)
U2_U_amp22 "L293DNE" NE0016A 3.379,44 r0 top (schematic designator U2)
U2_U_amp22_1 "L293DNE" NE0016A -3.379,-44 r180 top (schematic designator U2)
U2_U_amp23 "L293DNE" NE0016A -87.231,79.94 r0 top (schematic designator U2)
U2_U_amp23_1 "L293DNE" NE0016A 87.231,-79.94 r180 top (schematic designator U2)
U2_U_amp24 "L293DNE" NE0016A -7.947,49.106 r0 top (schematic designator U2)
U2_U_amp24_1 "L293DNE" NE0016A 7.947,-49.106 r180 top (schematic designator U2)
U2_U_amp25 "L293DNE" NE0016A -19.437,49.106 r0 top (schematic designator U2)
U2_U_amp25_1 "L293DNE" NE0016A 19.437,-49.106 r180 top (schematic designator U2)
U2_U_amp26 "L293DNE" NE0016A -30.927,49.106 r0 top (schematic designator U2)
U2_U_amp26_1 "L293DNE" NE0016A 30.927,-49.106 r180 top (schematic designator U2)
U2_U_amp27 "L293DNE" NE0016A -42.418,49.106 r0 top (schematic designator U2)
U2_U_amp27_1 "L293DNE" NE0016A 42.418,-49.106 r180 top (schematic designator U2)
U2_U_amp28 "L293DNE" NE0016A -53.908,49.106 r0 top (schematic designator U2)
U2_U_amp28_1 "L293DNE" NE0016A 53.908,-49.106 r180 top (schematic designator U2)
U2_U_amp29 "L293DNE" NE0016A -65.398,49.106 r0 top (schematic designator U2)
U2_U_amp29_1 "L293DNE" NE0016A 65.398,-49.106 r180 top (schematic designator U2)
U2_U_amp30 "L293DNE" NE0016A -76.888,49.106 r0 top (schematic designator U2)
U2_U_amp30_1 "L293DNE" NE0016A 76.888,-49.106 r180 top (schematic designator U2)
U2_U_amp31 "L293DNE" NE0016A 87.478,11.273 r0 top (schematic designator U2)
U2_U_amp31_1 "L293DNE" NE0016A -87.478,-11.273 r180 top (schematic designator U2)
U2_U_amp32 "L293DNE" NE0016A 74.988,11.273 r0 top (schematic designator U2)
U2_U_amp32_1 "L293DNE" NE0016A -74.988,-11.273 r180 top (schematic designator U2)
U2_U_amp33 "L293DNE" NE0016A 62.498,11.273 r0 top (schematic designator U2)
U2_U_amp33_1 "L293DNE" NE0016A -62.498,-11.273 r180 top (schematic designator U2)
U2_U_amp34 "L293DNE" NE0016A 50.007,11.273 r0 top (schematic designator U2)
U2_U_amp34_1 "L293DNE" NE0016A -50.007,-11.273 r180 top (schematic designator U2)
U2_U_amp35 "L293DNE" NE0016A 37.517,11.273 r0 top (schematic designator U2)
U2_U_amp35_1 "L293DNE" NE0016A -37.517,-11.273 r180 top (schematic designator U2)
U2_U_amp36 "L293DNE" NE0016A 25.027,11.273 r0 top (schematic designator U2)
U2_U_amp36_1 "L293DNE" NE0016A -25.027,-11.273 r180 top (schematic designator U2)
U2_U_amp37 "L293DNE" NE0016A 12.537,11.273 r0 top (schematic designator U2)
U2_U_amp37_1 "L293DNE" NE0016A -12.537,-11.273 r180 top (schematic designator U2)
U2_U_amp38 "L293DNE" NE0016A 0.047,11.273 r0 top (schematic designator U2)
U2_U_amp38_1 "L293DNE" NE0016A -0.047,-11.273 r180 top (schematic designator U2)
U2_U_amp39 "L293DNE" NE0016A -12.444,11.273 r0 top (schematic designator U2)
U2_U_amp39_1 "L293DNE" NE0016A 12.444,-11.273 r180 top (schematic designator U2)
U2_U_amp40 "L293DNE" NE0016A -24.934,11.273 r0 top (schematic designator U2)
U2_U_amp40_1 "L293DNE" NE0016A 24.934,-11.273 r180 top (schematic designator U2)
U2_U_amp41 "L293DNE" NE0016A -37.424,11.273 r0 top (schematic designator U2)
U2_U_amp41_1 "L293DNE" NE0016A 37.424,-11.273 r180 top (schematic designator U2)
U2_U_amp42 "L293DNE" NE0016A -49.914,11.273 r0 top (schematic designator U2)
U2_U_amp42_1 "L293DNE" NE0016A 49.914,-11.273 r180 top (schematic designator U2)
U2_U_amp43 "L293DNE" NE0016A -62.404,11.273 r0 top (schematic designator U2)
U2_U_amp43_1 "L293DNE" NE0016A 62.404,-11.273 r180 top (schematic designator U2)
U2_U_amp44 "L293DNE" NE0016A -74.895,11.273 r0 top (schematic designator U2)
U2_U_amp44_1 "L293DNE" NE0016A 74.895,-11.273 r180 top (schematic designator U2)
U2_U_amp45 "L293DNE" NE0016A -87.385,11.273 r0 top (schematic designator U2)
U2_U_amp45_1 "L293DNE" NE0016A 87.385,-11.273 r180 top (schematic designator U2)

## Footprints (in the part's own frame and the unit in brackets; to place one, negate y for a bottom-side part, rotate by r counter-clockwise, add the part's x,y. Pads: shape width x height; smd on the part's side, far side on the other; paste and mask are expansions set on the pad)
C-0603-M [mm] "Chip Resistor, Body 1.6x0.8mm, IPC Medium Density"
  rect 0.9x1 smd: 1(-0.8,0) 2(0.8,0)
  silkscreen extent -0.05,-0.4 0.05,0.4, body extent -0.85,-0.45 0.85,0.45, height 0.9
C-0805-M [mm] "Chip Resistor, Body 2.0x1.3mm, IPC Medium Density"
  rect 1.05x1.4 smd: 1(-0.95,0) 2(0.95,0)
  silkscreen extent -0.05,-0.6 0.05,0.6, body extent -1.1,-0.72 1.1,0.73, height 1.35
C-TANT-V [mm]
  rrect30% 2.77x2.55 smd: 1(-3.38,0) 2(3.05,0)
  silkscreen extent -3.68,-2.16 3.68,2.16, body extent -3.65,-2.15 3.65,2.15, height 2.02
CAC-50P200X100-8N [mm] "Chip Array, Concave, 8-Leads, Pitch 0,50mm,  Body 2,00x1,00mm,  IPC Medium Density"
  rect 0.8x0.3 smd: 1(-0.5,0.75) 2(-0.5,0.25) 3(-0.5,-0.25) 4(-0.5,-0.75) 5(0.5,-0.75) 6(0.5,-0.25) 7(0.5,0.25) 8(0.5,0.75)
  body extent -0.6,-1.05 0.6,1.05, height 0.55
NE0016A [mm] "DIP, 16-Leads, Body 19.8x6.6mm, Pitch 2.54mm, Row Spacing 7.62mm"
  rect 1.5x1.5 hole 0.9: 1(-3.81,8.89)
  round 1.5 hole 0.9: 2(-3.81,6.35) 3(-3.81,3.81) 4(-3.81,1.27) 5(-3.81,-1.27) 6(-3.81,-3.81) 7(-3.81,-6.35) 8(-3.81,-8.89) 9(3.81,-8.89) 10(3.81,-6.35) 11(3.81,-3.81) 12(3.81,-1.27) 13(3.81,1.27) 14(3.81,3.81) 15(3.81,6.35) 16(3.81,8.89)
  silkscreen extent -3.93,-9.9 2.65,10.31, body extent -3.95,-9.9 3.95,9.9, height 5.08
R-0603-M [mm] "Chip Resistor, Body 1.6x0.8mm, IPC Medium Density"
  rect 0.9x1 smd: 1(-0.8,0) 2(0.8,0)
  silkscreen extent -0.05,-0.4 0.05,0.4, body extent -0.87,-0.47 0.88,0.48, height 0.55
RGY0014A_V [mm] "QFN, 14-Leads, Body 3.5x3.5mm, Thermal Pad 2.05x2.05mm, TI Recommend"
  rrect42% 0.6x0.24 smd: 1(-1.65,-0.75) 7(1.65,-0.75) 8(1.65,0.75) 14(-1.65,0.75)
  rrect42% 0.24x0.6 smd: 2(-1,-1.65) 3(-0.5,-1.65) 4(0,-1.65) 5(0.5,-1.65) 6(1,-1.65) 9(1,1.65) 10(0.5,1.65) 11(0,1.65) 12(-0.5,1.65) 13(-1,1.65)
  rrect11% 0.92x0.92 on Bottom Paste: 15(-0.56,-0.56) 15(-0.56,0.56) 15(0.56,-0.56) 15(0.56,0.56)
  rrect5% 2.05x2.05 smd paste-1.025: 15(0,0)
  silkscreen extent -2.83,-1.82 1.83,1.83, body extent -1.75,-1.75 1.75,1.75, height 1
SOP127P640X300-100L#1 [mm] "SOP, 100-Leads, Body 63.55x1.50mm, Pitch 1.27mm, IPC High Density"
  rect 2.4x0.74 smd: 1(-1.95,31.115) 2(1.95,31.115) 3(-1.95,29.845) 4(1.95,29.845) 5(-1.95,28.575) 6(1.95,28.575) 7(-1.95,27.305) 8(1.95,27.305) 9(-1.95,26.035) 10(1.95,26.035) 11(-1.95,24.765) 12(1.95,24.765) 13(-1.95,23.495) 14(1.95,23.495) 15(-1.95,22.225) 16(1.95,22.225) 17(-1.95,20.955) 18(1.95,20.955) 19(-1.95,19.685) 20(1.95,19.685) 21(-1.95,18.415) 22(1.95,18.415) 23(-1.95,17.145) 24(1.95,17.145) 25(-1.95,15.875) 26(1.95,15.875) 27(-1.95,14.605) 28(1.95,14.605) 29(-1.95,13.335) 30(1.95,13.335) 31(-1.95,12.065) 32(1.95,12.065) 33(-1.95,10.795) 34(1.95,10.795) 35(-1.95,9.525) 36(1.95,9.525) 37(-1.95,8.255) 38(1.95,8.255) 39(-1.95,6.985) 40(1.95,6.985) 41(-1.95,5.715) 42(1.95,5.715) 43(-1.95,4.445) 44(1.95,4.445) 45(-1.95,3.175) 46(1.95,3.175) 47(-1.95,1.905) 48(1.95,1.905) 49(-1.95,0.635) 50(1.95,0.635) 51(-1.95,-0.635) 52(1.95,-0.635) 53(-1.95,-1.905) 54(1.95,-1.905) 55(-1.95,-3.175) 56(1.95,-3.175) 57(-1.95,-4.445) 58(1.95,-4.445) 59(-1.95,-5.715) 60(1.95,-5.715) 61(-1.95,-6.985) 62(1.95,-6.985) 63(-1.95,-8.255) 64(1.95,-8.255) 65(-1.95,-9.525) 66(1.95,-9.525) 67(-1.95,-10.795) 68(1.95,-10.795) 69(-1.95,-12.065) 70(1.95,-12.065) 71(-1.95,-13.335) 72(1.95,-13.335) 73(-1.95,-14.605) 74(1.95,-14.605) 75(-1.95,-15.875) 76(1.95,-15.875) 77(-1.95,-17.145) 78(1.95,-17.145) 79(-1.95,-18.415) 80(1.95,-18.415) 81(-1.95,-19.685) 82(1.95,-19.685) 83(-1.95,-20.955) 84(1.95,-20.955) 85(-1.95,-22.225) 86(1.95,-22.225) 87(-1.95,-23.495) 88(1.95,-23.495) 89(-1.95,-24.765) 90(1.95,-24.765) 92(1.95,-26.035) 93(-1.95,-27.305) 94(1.95,-27.305) 95(-1.95,-28.575) 96(1.95,-28.575) 97(-1.95,-29.845) 98(1.95,-29.845) 99(-1.95,-31.115) 100(1.95,-31.115)
  rect 2.4x0.74 smd paste+0: 91(-1.95,-26.035)
  silkscreen extent -2.08,-31.8 0.35,32.16
SOP127P640X300-100L#2 [mm] "SOP, 100-Leads, Body 63.55x1.50mm, Pitch 1.27mm, IPC High Density"
  rect 2.4x0.74 smd: 1(-1.95,-31.115) 2(1.95,-31.115) 3(-1.95,-29.845) 4(1.95,-29.845) 5(-1.95,-28.575) 6(1.95,-28.575) 7(-1.95,-27.305) 8(1.95,-27.305) 9(-1.95,-26.035) 10(1.95,-26.035) 11(-1.95,-24.765) 12(1.95,-24.765) 13(-1.95,-23.495) 14(1.95,-23.495) 15(-1.95,-22.225) 16(1.95,-22.225) 17(-1.95,-20.955) 18(1.95,-20.955) 19(-1.95,-19.685) 20(1.95,-19.685) 21(-1.95,-18.415) 22(1.95,-18.415) 23(-1.95,-17.145) 24(1.95,-17.145) 25(-1.95,-15.875) 26(1.95,-15.875) 27(-1.95,-14.605) 28(1.95,-14.605) 29(-1.95,-13.335) 30(1.95,-13.335) 31(-1.95,-12.065) 32(1.95,-12.065) 33(-1.95,-10.795) 34(1.95,-10.795) 35(-1.95,-9.525) 36(1.95,-9.525) 37(-1.95,-8.255) 38(1.95,-8.255) 39(-1.95,-6.985) 40(1.95,-6.985) 41(-1.95,-5.715) 42(1.95,-5.715) 43(-1.95,-4.445) 44(1.95,-4.445) 45(-1.95,-3.175) 46(1.95,-3.175) 47(-1.95,-1.905) 48(1.95,-1.905) 49(-1.95,-0.635) 50(1.95,-0.635) 51(-1.95,0.635) 52(1.95,0.635) 53(-1.95,1.905) 54(1.95,1.905) 55(-1.95,3.175) 56(1.95,3.175) 57(-1.95,4.445) 58(1.95,4.445) 59(-1.95,5.715) 60(1.95,5.715) 61(-1.95,6.985) 62(1.95,6.985) 63(-1.95,8.255) 64(1.95,8.255) 65(-1.95,9.525) 66(1.95,9.525) 67(-1.95,10.795) 68(1.95,10.795) 69(-1.95,12.065) 70(1.95,12.065) 71(-1.95,13.335) 72(1.95,13.335) 73(-1.95,14.605) 74(1.95,14.605) 75(-1.95,15.875) 76(1.95,15.875) 77(-1.95,17.145) 78(1.95,17.145) 79(-1.95,18.415) 80(1.95,18.415) 81(-1.95,19.685) 82(1.95,19.685) 83(-1.95,20.955) 84(1.95,20.955) 85(-1.95,22.225) 86(1.95,22.225) 87(-1.95,23.495) 88(1.95,23.495) 89(-1.95,24.765) 90(1.95,24.765) 92(1.95,26.035) 93(-1.95,27.305) 94(1.95,27.305) 95(-1.95,28.575) 96(1.95,28.575) 97(-1.95,29.845) 98(1.95,29.845) 99(-1.95,31.115) 100(1.95,31.115)
  rect 2.4x0.74 smd paste+0: 91(-1.95,26.035)
  silkscreen extent -2.07,-32.16 0.35,31.8